# KiCad board SparkFun_IoT_RedBoard-RP2350_panelized.kicad_pcb (continued)
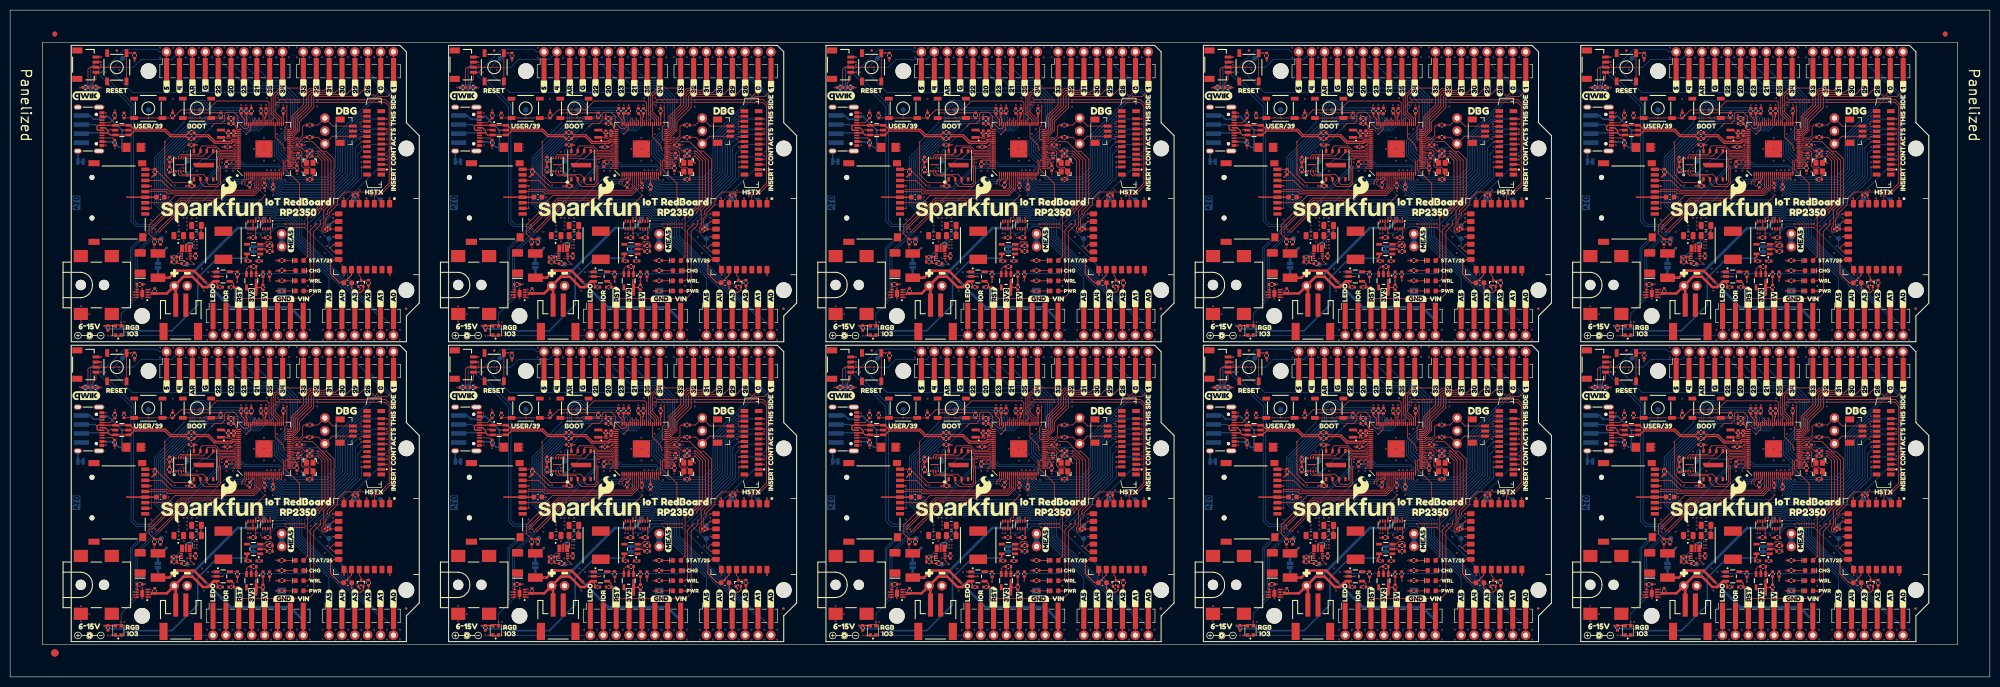
[diagram p0: board, top side]
## Routing (per net, layer and track width the routed paths; a pad name or vN(x,y) marks a point on that pad's centre or on a via; arc(x,y) is an arc through that point) (continued)
/Core/PSRAM_~{CS}: length 258.9
  Top w0.15: U4#10.1 32.27,40.61 32.02,40.36 R17#10.1 ; R17#6.1 180.74,99.48 180.99,99.73 U4#6.1 ; U1#7.58 195.74,49.31 195.44,49.01 194.74,49.01 193.59,50.16 193.59,51.41 192.79,52.21 191.39,52.21 190.99,51.81 190.99,50.56 190.39,49.96 189.04,49.96 v1(188.49,49.41) ; R17#3.1 106.38,40.36 106.63,40.61 U4.1 ; R17.1 106.38,99.48 106.63,99.73 U4#5.1 ; U1.58 47.02,49.31 46.72,49.01 46.02,49.01 44.87,50.16 44.87,51.41 44.07,52.21 42.67,52.21 42.27,51.81 42.27,50.56 41.67,49.96 40.32,49.96 v1(39.77,49.41) ; U4#4.1 255.35,99.73 255.1,99.48 R17#2.1 ; v1(114.13,49.41) 114.68,49.96 116.03,49.96 116.63,50.56 116.63,51.81 117.03,52.21 118.43,52.21 119.23,51.41 119.23,50.16 120.38,49.01 121.08,49.01 121.38,49.31 U1#4.58 ; R17#5.1 180.74,40.36 180.99,40.61 U4#7.1 ; v1(188.49,108.53) 189.04,109.08 190.39,109.08 190.99,109.68 190.99,110.93 191.39,111.33 192.79,111.33 193.59,110.53 193.59,109.28 194.74,108.13 195.44,108.13 195.74,108.43 U1#3.58 ; U4#8.1 255.35,40.61 255.1,40.36 R17#7.1 ; v1(337.21,108.53) 337.76,109.08 339.11,109.08 339.71,109.68 339.71,110.93 340.11,111.33 341.51,111.33 342.31,110.53 342.31,109.28 343.46,108.13 344.16,108.13 344.46,108.43 U1#9.58 ; v1(39.77,108.53) 40.32,109.08 41.67,109.08 42.27,109.68 42.27,110.93 42.67,111.33 44.07,111.33 44.87,110.53 44.87,109.28 46.02,108.13 46.72,108.13 47.02,108.43 U1#6.58 ; v1(337.21,49.41) 337.76,49.96 339.11,49.96 339.71,50.56 339.71,51.81 340.11,52.21 341.51,52.21 342.31,51.41 342.31,50.16 343.46,49.01 344.16,49.01 344.46,49.31 U1#10.58 ; U1#5.58 121.38,108.43 121.08,108.13 120.38,108.13 119.23,109.28 119.23,110.53 118.43,111.33 117.03,111.33 116.63,110.93 116.63,109.68 116.03,109.08 114.68,109.08 v1(114.13,108.53) ; R17#9.1 329.46,99.48 329.71,99.73 U4#3.1 ; U1#2.58 270.1,108.43 269.8,108.13 269.1,108.13 267.95,109.28 267.95,110.53 267.15,111.33 265.75,111.33 265.35,110.93 265.35,109.68 264.75,109.08 263.4,109.08 v1(262.85,108.53) ; U4#2.1 32.27,99.73 32.02,99.48 R17#4.1 ; U4#9.1 329.71,40.61 329.46,40.36 R17#8.1 ; U1#8.58 270.1,49.31 269.8,49.01 269.1,49.01 267.95,50.16 267.95,51.41 267.15,52.21 265.75,52.21 265.35,51.81 265.35,50.56 264.75,49.96 263.4,49.96 v1(262.85,49.41)
  Bottom w0.15: v1(114.13,108.53) 109.24,103.64 TP7#7.1 107.08,99.48 v1(106.38,99.48) ; v1(262.85,49.41) 257.96,44.52 TP7#5.1 255.8,40.36 v1(255.1,40.36) ; v1(180.74,40.36) 181.44,40.36 TP7#9.1 183.6,44.52 v1(188.49,49.41) ; v1(39.77,108.53) 34.88,103.64 TP7#4.1 32.72,99.48 v1(32.02,99.48) ; v1(32.02,40.36) 32.72,40.36 TP7.1 34.88,44.52 v1(39.77,49.41) ; v1(106.38,40.36) 107.08,40.36 TP7#3.1 109.24,44.52 v1(114.13,49.41) ; v1(262.85,108.53) 257.96,103.64 TP7#2.1 255.8,99.48 v1(255.1,99.48) ; v1(180.74,99.48) 181.44,99.48 TP7#8.1 183.6,103.64 v1(188.49,108.53) ; v1(337.21,49.41) 332.32,44.52 TP7#6.1 330.16,40.36 v1(329.46,40.36) ; v1(329.46,99.48) 330.16,99.48 TP7#10.1 332.32,103.64 v1(337.21,108.53)
/Core/QSPI_CLK: length 135
  Top w0.15: U1#2.71 267.45,103.88 267.06,103.49 264.29,103.49 263.4,104.38 262,104.38 261.83,104.21 U3#10.6 261.83,103.41 261.1,102.68 256.92,102.68 256.75,102.5 U4#4.6 ; U4#8.6 256.75,43.38 256.92,43.56 261.1,43.56 261.83,44.29 U3#5.6 261.83,45.09 262,45.26 263.4,45.26 264.29,44.37 267.06,44.37 267.45,44.76 U1#8.71 ; U4#10.6 33.67,43.38 33.84,43.56 38.02,43.56 38.76,44.29 U3.6 38.76,45.09 38.92,45.26 40.32,45.26 41.21,44.37 43.98,44.37 44.37,44.76 U1.71 ; U1#7.71 193.09,44.76 192.7,44.37 189.93,44.37 189.04,45.26 187.64,45.26 187.47,45.09 U3#7.6 187.47,44.29 186.74,43.56 182.56,43.56 182.39,43.38 U4#7.6 ; U1#6.71 44.37,103.88 43.98,103.49 41.21,103.49 40.32,104.38 38.92,104.38 38.76,104.21 U3#4.6 38.76,103.41 38.02,102.68 33.84,102.68 33.67,102.5 U4#2.6 ; U4#6.6 182.39,102.5 182.56,102.68 186.74,102.68 187.47,103.41 U3#8.6 187.47,104.21 187.64,104.38 189.04,104.38 189.93,103.49 192.7,103.49 193.09,103.88 U1#3.71 ; U4#9.6 331.11,43.38 331.28,43.56 335.46,43.56 336.19,44.29 U3#9.6 336.19,45.09 336.36,45.26 337.76,45.26 338.65,44.37 341.42,44.37 341.81,44.76 U1#10.71 ; U4#3.6 331.11,102.5 331.28,102.68 335.46,102.68 336.19,103.41 U3#6.6 336.19,104.21 336.36,104.38 337.76,104.38 338.65,103.49 341.42,103.49 341.81,103.88 U1#9.71 ; U1#5.71 118.73,103.88 118.34,103.49 115.57,103.49 114.68,104.38 113.28,104.38 113.11,104.21 U3#3.6 113.11,103.41 112.38,102.68 108.2,102.68 108.03,102.5 U4#5.6 ; U1#4.71 118.73,44.76 118.34,44.37 115.57,44.37 114.68,45.26 113.28,45.26 113.11,45.09 U3#2.6 113.11,44.29 112.38,43.56 108.2,43.56 108.03,43.38 U4.6
/Core/QSPI_D0: length 120.1
  Top w0.15: U4#2.5 38.87,102.23 40.02,103.38 U3#4.5 40.55,103.65 41.01,103.19 44.13,103.19 44.42,103.48 U1#6.72 ; U1#2.72 267.5,103.48 267.21,103.19 264.09,103.19 263.62,103.65 U3#10.5 263.1,103.38 261.95,102.23 U4#4.5 ; U1#7.72 193.14,44.36 192.85,44.07 189.73,44.07 189.26,44.53 188.75,44.53 188.75,44.26 187.59,43.11 U4#7.5 ; U4.5 113.23,43.11 114.39,44.26 U3#2.5 114.91,44.53 115.37,44.07 118.49,44.07 118.78,44.36 U1#4.72 ; U4#9.5 336.31,43.11 337.46,44.26 U3#9.5 337.99,44.53 338.45,44.07 341.57,44.07 341.86,44.36 U1#10.72 ; U1#8.72 267.5,44.36 267.21,44.07 264.09,44.07 263.62,44.53 U3#5.5 263.1,44.26 261.95,43.11 U4#8.5 ; U4#10.5 38.87,43.11 40.02,44.26 U3.5 40.55,44.53 41.01,44.07 44.13,44.07 44.42,44.36 U1.72 ; U1#9.72 341.86,103.48 341.57,103.19 338.45,103.19 337.99,103.65 U3#6.5 337.46,103.38 336.31,102.23 U4#3.5 ; U1#5.72 118.78,103.48 118.49,103.19 115.37,103.19 114.91,103.65 U3#3.5 114.39,103.38 113.23,102.23 U4#5.5 ; U1#3.72 193.14,103.48 192.85,103.19 189.73,103.19 189.26,103.65 188.75,103.65 188.75,103.38 187.59,102.23 U4#6.5
/Core/QSPI_D1: length 198.6
  Top w0.15: U1#4.74 118.88,43.56 118.78,43.46 115.93,43.46 115.58,43.11 115.58,41.66 115.83,41.41 115.83,38.11 115.28,37.56 112.58,37.56 111.85,38.29 U3#2.2 111.85,39.19 111.38,39.66 107.88,39.66 107.53,40.01 U4.2 ; U4#4.2 256.25,99.13 256.6,98.78 260.1,98.78 260.56,98.31 U3#10.2 260.56,97.41 261.3,96.68 264,96.68 264.55,97.23 264.55,100.53 264.3,100.78 264.3,102.23 264.65,102.58 267.5,102.58 267.6,102.68 U1#2.74 ; U1#8.74 267.6,43.56 267.5,43.46 264.65,43.46 264.3,43.11 264.3,41.66 264.55,41.41 264.55,38.11 264,37.56 261.3,37.56 260.56,38.29 U3#5.2 260.56,39.19 260.1,39.66 256.6,39.66 256.25,40.01 U4#8.2 ; U1#7.74 193.24,43.56 193.14,43.46 190.29,43.46 189.94,43.11 189.94,41.66 190.19,41.41 190.19,38.11 189.64,37.56 186.94,37.56 186.2,38.29 U3#7.2 186.2,39.19 185.74,39.66 182.24,39.66 181.89,40.01 U4#7.2 ; U1.74 44.52,43.56 44.42,43.46 41.57,43.46 41.22,43.11 41.22,41.66 41.47,41.41 41.47,38.11 40.92,37.56 38.22,37.56 37.48,38.29 U3.2 37.48,39.19 37.02,39.66 33.52,39.66 33.17,40.01 U4#10.2 ; U1#9.74 341.96,102.68 341.86,102.58 339.01,102.58 338.66,102.23 338.66,100.78 338.91,100.53 338.91,97.23 338.36,96.68 335.66,96.68 334.93,97.41 U3#6.2 334.93,98.31 334.46,98.78 330.96,98.78 330.61,99.13 U4#3.2 ; U4#9.2 330.61,40.01 330.96,39.66 334.46,39.66 334.93,39.19 U3#9.2 334.93,38.29 335.66,37.56 338.36,37.56 338.91,38.11 338.91,41.41 338.66,41.66 338.66,43.11 339.01,43.46 341.86,43.46 341.96,43.56 U1#10.74 ; U1#6.74 44.52,102.68 44.42,102.58 41.57,102.58 41.22,102.23 41.22,100.78 41.47,100.53 41.47,97.23 40.92,96.68 38.22,96.68 37.48,97.41 U3#4.2 37.48,98.31 37.02,98.78 33.52,98.78 33.17,99.13 U4#2.2 ; U1#3.74 193.24,102.68 193.14,102.58 190.29,102.58 189.94,102.23 189.94,100.78 190.19,100.53 190.19,97.23 189.64,96.68 186.94,96.68 186.2,97.41 U3#8.2 186.2,98.31 185.74,98.78 182.24,98.78 181.89,99.13 U4#6.2 ; U4#5.2 107.53,99.13 107.88,98.78 111.38,98.78 111.85,98.31 U3#3.2 111.85,97.41 112.58,96.68 115.28,96.68 115.83,97.23 115.83,100.53 115.58,100.78 115.58,102.23 115.93,102.58 118.78,102.58 118.88,102.68 U1#5.74
/Core/QSPI_D2: length 190.5
  Top w0.15: U1#8.73 267.55,43.96 267.35,43.76 264.4,43.76 263.95,43.31 263.95,41.46 264.2,41.21 264.2,38.36 263.8,37.96 262.2,37.96 261.83,38.32 U3#5.3 261.83,39.22 261.1,39.96 257,39.96 256.75,40.21 U4#8.3 ; U1#10.73 341.91,43.96 341.71,43.76 338.76,43.76 338.31,43.31 338.31,41.46 338.56,41.21 338.56,38.36 338.16,37.96 336.56,37.96 336.19,38.32 U3#9.3 336.19,39.22 335.46,39.96 331.36,39.96 331.11,40.21 U4#9.3 ; U1#2.73 267.55,103.08 267.35,102.88 264.4,102.88 263.95,102.43 263.95,100.58 264.2,100.33 264.2,97.48 263.8,97.08 262.2,97.08 261.83,97.44 U3#10.3 261.83,98.34 261.1,99.08 257,99.08 256.75,99.33 U4#4.3 ; U1#5.73 118.83,103.08 118.63,102.88 115.68,102.88 115.23,102.43 115.23,100.58 115.48,100.33 115.48,97.48 115.08,97.08 113.48,97.08 113.11,97.44 U3#3.3 113.11,98.34 112.38,99.08 108.28,99.08 108.03,99.33 U4#5.3 ; U4.3 108.03,40.21 108.28,39.96 112.38,39.96 113.11,39.22 U3#2.3 113.11,38.32 113.48,37.96 115.08,37.96 115.48,38.36 115.48,41.21 115.23,41.46 115.23,43.31 115.68,43.76 118.63,43.76 118.83,43.96 U1#4.73 ; U1#9.73 341.91,103.08 341.71,102.88 338.76,102.88 338.31,102.43 338.31,100.58 338.56,100.33 338.56,97.48 338.16,97.08 336.56,97.08 336.19,97.44 U3#6.3 336.19,98.34 335.46,99.08 331.36,99.08 331.11,99.33 U4#3.3 ; U4#6.3 182.39,99.33 182.64,99.08 186.74,99.08 187.47,98.34 U3#8.3 187.47,97.44 187.84,97.08 189.44,97.08 189.84,97.48 189.84,100.33 189.59,100.58 189.59,102.43 190.04,102.88 192.99,102.88 193.19,103.08 U1#3.73 ; U4#2.3 33.67,99.33 33.92,99.08 38.02,99.08 38.76,98.34 U3#4.3 38.76,97.44 39.12,97.08 40.72,97.08 41.12,97.48 41.12,100.33 40.87,100.58 40.87,102.43 41.32,102.88 44.27,102.88 44.47,103.08 U1#6.73 ; U1.73 44.47,43.96 44.27,43.76 41.32,43.76 40.87,43.31 40.87,41.46 41.12,41.21 41.12,38.36 40.72,37.96 39.12,37.96 38.76,38.32 U3.3 38.76,39.22 38.02,39.96 33.92,39.96 33.67,40.21 U4#10.3 ; U4#7.3 182.39,40.21 182.64,39.96 186.74,39.96 187.47,39.22 U3#7.3 187.47,38.32 187.84,37.96 189.44,37.96 189.84,38.36 189.84,41.21 189.59,41.46 189.59,43.31 190.04,43.76 192.99,43.76 193.19,43.96 U1#7.73
/Core/QSPI_D3: length 143.2
  Top w0.15: U1#6.70 44.27,104.28 43.79,103.8 41.4,103.8 40.52,104.68 37.82,104.68 37.48,104.34 U3#4.7 37.48,103.39 37.07,102.98 33.52,102.98 33.17,102.63 U4#2.7 ; U1#8.70 267.35,45.16 266.87,44.68 264.48,44.68 263.6,45.56 260.9,45.56 260.56,45.22 U3#5.7 260.56,44.27 260.15,43.86 256.6,43.86 256.25,43.51 U4#8.7 ; U1#4.70 118.63,45.16 118.15,44.68 115.76,44.68 114.88,45.56 112.18,45.56 111.85,45.22 U3#2.7 111.85,44.27 111.43,43.86 107.88,43.86 107.53,43.51 U4.7 ; U4#9.7 330.61,43.51 330.96,43.86 334.51,43.86 334.93,44.27 U3#9.7 334.93,45.22 335.26,45.56 337.96,45.56 338.84,44.68 341.23,44.68 341.71,45.16 U1#10.70 ; U1#2.70 267.35,104.28 266.87,103.8 264.48,103.8 263.6,104.68 260.9,104.68 260.56,104.34 U3#10.7 260.56,103.39 260.15,102.98 256.6,102.98 256.25,102.63 U4#4.7 ; U1#7.70 192.99,45.16 192.51,44.68 190.12,44.68 189.24,45.56 186.54,45.56 186.2,45.22 U3#7.7 186.2,44.27 185.79,43.86 182.24,43.86 181.89,43.51 U4#7.7 ; U4#3.7 330.61,102.63 330.96,102.98 334.51,102.98 334.93,103.39 U3#6.7 334.93,104.34 335.26,104.68 337.96,104.68 338.84,103.8 341.23,103.8 341.71,104.28 U1#9.70 ; U1#5.70 118.63,104.28 118.15,103.8 115.76,103.8 114.88,104.68 112.18,104.68 111.85,104.34 U3#3.7 111.85,103.39 111.43,102.98 107.88,102.98 107.53,102.63 U4#5.7 ; U1.70 44.27,45.16 43.79,44.68 41.4,44.68 40.52,45.56 37.82,45.56 37.48,45.22 U3.7 37.48,44.27 37.07,43.86 33.52,43.86 33.17,43.51 U4#10.7 ; U4#6.7 181.89,102.63 182.24,102.98 185.79,102.98 186.2,103.39 U3#8.7 186.2,104.34 186.54,104.68 189.24,104.68 190.12,103.8 192.51,103.8 192.99,104.28 U1#3.70
/Core/RGB_DIN: length 432.3
  Top w0.15: U1#9.80 v1(341.46,100.28) ; v1(319.31,69.93) D4#10.3 ; v1(108.98,93.58) v1(103.18,87.78) ; v1(21.87,10.81) D4#3.3 ; v1(170.59,69.93) D4#4.3 ; U1#2.80 v1(267.1,100.28) ; v1(183.34,34.46) v1(177.54,28.66) ; v1(319.31,10.81) D4#9.3 ; v1(183.34,93.58) v1(177.54,87.78) ; U1#7.80 v1(192.74,41.16) ; v1(332.06,93.58) v1(326.26,87.78) ; v1(21.87,69.93) D4#2.3 ; U1#4.80 v1(118.38,41.16) ; U1#8.80 v1(267.1,41.16) ; v1(34.62,93.58) v1(28.82,87.78) ; v1(96.23,10.81) D4.3 ; U1#3.80 v1(192.74,100.28) ; U1#6.80 v1(44.02,100.28) ; v1(34.62,34.46) v1(28.82,28.66) ; U1#5.80 v1(118.38,100.28) ; v1(108.98,34.46) v1(103.18,28.66) ; U1.80 v1(44.02,41.16) ; v1(96.23,69.93) D4#7.3 ; v1(244.95,69.93) D4#5.3 ; v1(332.06,34.46) v1(326.26,28.66) ; v1(244.95,10.81) D4#8.3 ; U1#10.80 v1(341.46,41.16) ; v1(170.59,10.81) D4#6.3 ; v1(257.7,34.46) v1(251.9,28.66) ; v1(257.7,93.58) v1(251.9,87.78)
  Bottom w0.15: v1(332.06,34.46) 338.76,41.16 v1(341.46,41.16) ; v1(96.23,10.81) 96.23,12.46 99.33,15.56 99.33,17.06 98.98,17.41 98.98,24.46 v1(103.18,28.66) ; v1(319.31,69.93) 319.31,71.58 322.41,74.68 322.41,76.18 322.06,76.53 322.06,83.58 v1(326.26,87.78) ; v1(251.9,87.78) 247.7,83.58 247.7,76.53 248.05,76.18 248.05,74.68 244.95,71.58 v1(244.95,69.93) ; v1(108.98,34.46) 115.68,41.16 v1(118.38,41.16) ; v1(257.7,93.58) 264.4,100.28 v1(267.1,100.28) ; v1(108.98,93.58) 115.68,100.28 v1(118.38,100.28) ; v1(44.02,41.16) 41.32,41.16 v1(34.62,34.46) ; v1(183.34,93.58) 190.04,100.28 v1(192.74,100.28) ; v1(341.46,100.28) 338.76,100.28 v1(332.06,93.58) ; v1(170.59,10.81) 170.59,12.46 173.69,15.56 173.69,17.06 173.34,17.41 173.34,24.46 v1(177.54,28.66) ; v1(21.87,69.93) 21.87,71.58 24.97,74.68 24.97,76.18 24.62,76.53 24.62,83.58 v1(28.82,87.78) ; v1(319.31,10.81) 319.31,12.46 322.41,15.56 322.41,17.06 322.06,17.41 322.06,24.46 v1(326.26,28.66) ; v1(103.18,87.78) 98.98,83.58 98.98,76.53 99.33,76.18 99.33,74.68 96.23,71.58 v1(96.23,69.93) ; v1(257.7,34.46) 264.4,41.16 v1(267.1,41.16) ; v1(21.87,10.81) 21.87,12.46 24.97,15.56 24.97,17.06 24.62,17.41 24.62,24.46 v1(28.82,28.66) ; v1(192.74,41.16) 190.04,41.16 v1(183.34,34.46) ; v1(244.95,10.81) 244.95,12.46 248.05,15.56 248.05,17.06 247.7,17.41 247.7,24.46 v1(251.9,28.66) ; v1(177.54,87.78) 173.34,83.58 173.34,76.53 173.69,76.18 173.69,74.68 170.59,71.58 v1(170.59,69.93) ; v1(34.62,93.58) 41.32,100.28 v1(44.02,100.28)
/Core/SW.CLK: length 91.7
  Top w0.15: R11#7.1 358.16,47.26 J10#9.1 360.96,47.46 J12#7.1 ; J12#9.1 360.96,106.58 J10#5.1 358.16,106.38 R11#8.1 ; R11#9.1 209.44,47.26 J10#8.1 212.24,47.46 J12#5.1 ; R11#3.1 135.08,106.38 J10.1 137.88,106.58 J12.1 ; R11.1 60.72,47.26 J10#10.1 63.52,47.46 J12#10.1 ; R11#5.1 209.44,106.38 J10#6.1 212.24,106.58 J12#6.1 ; J12#2.1 63.52,106.58 J10#2.1 60.72,106.38 R11#4.1 ; J12#8.1 286.6,106.58 J10#4.1 283.8,106.38 R11#6.1 ; R11#2.1 135.08,47.26 J10#3.1 137.88,47.46 J12#4.1 ; J12#3.1 286.6,47.46 J10#7.1 283.8,47.26 R11#10.1
/Core/SW.DIO: length 92.4
  Top w0.15: J12#9.3 361.04,108.58 J10#5.3 358.08,108.78 R12#8.1 ; R12#6.1 358.08,49.66 J10#9.3 361.04,49.46 J12#7.3 ; J12#2.3 63.6,108.58 J10#2.3 60.64,108.78 R12#9.1 ; J12#5.3 212.32,49.46 J10#8.3 209.36,49.66 R12#10.1 ; R12#3.1 283.72,49.66 J10#7.3 286.68,49.46 J12#3.3 ; R12#7.1 135,49.66 J10#3.3 137.96,49.46 J12#4.3 ; R12#5.1 283.72,108.78 J10#4.3 286.68,108.58 J12#8.3 ; R12.1 60.64,49.66 J10#10.3 63.6,49.46 J12#10.3 ; R12#2.1 135,108.78 J10.3 137.96,108.58 J12.3 ; J12#6.3 212.32,108.58 J10#6.3 209.36,108.78 R12#4.1
/Core/USB.D+: length 97.2
  Top w0.24: R3#9.2 110.64,46.96 111.05,47.37 113.3,47.37 114.6,46.07 117.96,46.07 118.24,46.36 U1#4.67 ; U1#7.67 192.6,46.36 192.32,46.07 188.96,46.07 187.66,47.37 185.41,47.37 185,46.96 R3#7.2 ; U1#5.67 118.24,105.48 117.96,105.19 114.6,105.19 113.3,106.49 111.05,106.49 110.64,106.08 R3#5.2 ; U1#8.67 266.96,46.36 266.68,46.07 263.32,46.07 262.02,47.37 259.77,47.37 259.36,46.96 R3#6.2 ; R3#10.2 333.72,106.08 334.13,106.49 336.38,106.49 337.68,105.19 341.04,105.19 341.32,105.48 U1#9.67 ; R3#4.2 185,106.08 185.41,106.49 187.66,106.49 188.96,105.19 192.32,105.19 192.6,105.48 U1#3.67 ; U1.67 43.88,46.36 43.6,46.07 40.24,46.07 38.94,47.37 36.7,47.37 36.28,46.96 R3.2 ; U1#6.67 43.88,105.48 43.6,105.19 40.24,105.19 38.94,106.49 36.7,106.49 36.28,106.08 R3#2.2 ; R3#8.2 259.36,106.08 259.77,106.49 262.02,106.49 263.32,105.19 266.68,105.19 266.96,105.48 U1#2.67 ; U1#10.67 341.32,46.36 341.04,46.07 337.68,46.07 336.38,47.37 334.13,47.37 333.72,46.96 R3#3.2
/Core/USB.D-: length 97.3
  Top w0.24: U1#9.66 341.2,105.88 340.88,105.56 337.84,105.56 336.54,106.86 334.13,106.86 333.72,107.28 R4#9.2 ; R4#2.2 110.64,107.28 111.05,106.86 113.46,106.86 114.76,105.56 117.8,105.56 118.12,105.88 U1#5.66 ; R4#10.2 333.72,48.16 334.13,47.74 336.54,47.74 337.84,46.44 340.88,46.44 341.2,46.76 U1#10.66 ; R4#7.2 185,107.28 185.41,106.86 187.82,106.86 189.12,105.56 192.16,105.56 192.48,105.88 U1#3.66 ; U1#8.66 266.84,46.76 266.52,46.44 263.48,46.44 262.18,47.74 259.77,47.74 259.36,48.16 R4#3.2 ; U1.66 43.76,46.76 43.44,46.44 40.4,46.44 39.1,47.74 36.7,47.74 36.28,48.16 R4.2 ; U1#2.66 266.84,105.88 266.52,105.56 263.48,105.56 262.18,106.86 259.77,106.86 259.36,107.28 R4#8.2 ; R4#6.2 185,48.16 185.41,47.74 187.82,47.74 189.12,46.44 192.16,46.44 192.48,46.76 U1#7.66 ; U1#6.66 43.76,105.88 43.44,105.56 40.4,105.56 39.1,106.86 36.7,106.86 36.28,107.28 R4#4.2 ; U1#4.66 118.12,46.76 117.8,46.44 114.76,46.44 113.46,47.74 111.05,47.74 110.64,48.16 R4#5.2
/Core/WRL_CLK: length 509.8
  Top w0.15: v1(354.46,113.78) v1(350.46,113.78) ; v1(357.96,54.66) 371.46,54.66 372.51,53.61 372.51,38.01 370.46,35.96 v1(369.21,35.96) U2#10.A3 ; U2#2.A3 v1(146.13,35.96) 147.38,35.96 149.43,38.01 149.43,53.61 148.38,54.66 v1(134.88,54.66) ; v1(134.88,113.78) 148.38,113.78 149.43,112.73 149.43,97.13 147.38,95.08 v1(146.13,95.08) U2#7.A3 ; v1(57.02,113.78) v1(53.02,113.78) ; U2#9.A3 v1(294.85,35.96) 296.1,35.96 298.15,38.01 298.15,53.61 297.1,54.66 v1(283.6,54.66) ; v1(205.74,113.78) v1(201.74,113.78) ; U2#5.A3 v1(369.21,95.08) 370.46,95.08 372.51,97.13 372.51,112.73 371.46,113.78 v1(357.96,113.78) ; U2#6.A3 v1(71.77,95.08) 73.02,95.08 75.07,97.13 75.07,112.73 74.02,113.78 v1(60.52,113.78) ; v1(280.1,54.66) v1(276.1,54.66) ; v1(200.54,110.03) U1#3.46 ; v1(349.26,50.91) U1#10.46 ; v1(200.54,50.91) U1#7.46 ; v1(57.02,54.66) v1(53.02,54.66) ; v1(209.24,113.78) 222.74,113.78 223.79,112.73 223.79,97.13 221.74,95.08 v1(220.49,95.08) U2#8.A3 ; v1(209.24,54.66) 222.74,54.66 223.79,53.61 223.79,38.01 221.74,35.96 v1(220.49,35.96) U2#3.A3 ; v1(274.9,110.03) U1#2.46 ; v1(126.18,50.91) U1#4.46 ; v1(280.1,113.78) v1(276.1,113.78) ; v1(131.38,54.66) v1(127.38,54.66) ; v1(274.9,50.91) U1#8.46 ; v1(51.82,110.03) U1#6.46 ; v1(60.52,54.66) 74.02,54.66 75.07,53.61 75.07,38.01 73.02,35.96 v1(71.77,35.96) U2.A3 ; v1(131.38,113.78) v1(127.38,113.78) ; U2#4.A3 v1(294.85,95.08) 296.1,95.08 298.15,97.13 298.15,112.73 297.1,113.78 v1(283.6,113.78) ; v1(51.82,50.91) U1.46 ; v1(205.74,54.66) v1(201.74,54.66) ; v1(126.18,110.03) U1#5.46 ; v1(354.46,54.66) v1(350.46,54.66) ; v1(349.26,110.03) U1#9.46
  Bottom w0.15: v1(274.9,50.91) 274.9,52.26 276.1,53.46 v1(276.1,54.66) ; TP4#3.1 72.83,94.02 v1(71.77,95.08) ; v1(205.74,54.66) v1(209.24,54.66) ; v1(127.38,54.66) 127.38,53.46 126.18,52.26 v1(126.18,50.91) ; v1(71.77,35.96) 72.83,34.9 TP4.1 ; v1(349.26,110.03) 349.26,111.38 350.46,112.58 v1(350.46,113.78) ; v1(53.02,113.78) 53.02,112.58 51.82,111.38 v1(51.82,110.03) ; v1(200.54,50.91) 200.54,52.26 201.74,53.46 v1(201.74,54.66) ; v1(146.13,95.08) 147.19,94.02 TP4#5.1 ; v1(131.38,54.66) v1(134.88,54.66) ; v1(205.74,113.78) v1(209.24,113.78) ; v1(126.18,110.03) 126.18,111.38 127.38,112.58 v1(127.38,113.78) ; v1(276.1,113.78) 276.1,112.58 274.9,111.38 v1(274.9,110.03) ; v1(53.02,54.66) 53.02,53.46 51.82,52.26 v1(51.82,50.91) ; v1(131.38,113.78) v1(134.88,113.78) ; v1(354.46,113.78) v1(357.96,113.78) ; v1(200.54,110.03) 200.54,111.38 201.74,112.58 v1(201.74,113.78) ; TP4#10.1 221.55,34.9 v1(220.49,35.96) ; TP4#4.1 370.27,94.02 v1(369.21,95.08) ; v1(349.26,50.91) 349.26,52.26 350.46,53.46 v1(350.46,54.66) ; v1(369.21,35.96) 370.27,34.9 TP4#6.1 ; v1(280.1,54.66) v1(283.6,54.66) ; v1(57.02,113.78) v1(60.52,113.78) ; v1(220.49,95.08) 221.55,94.02 TP4#9.1 ; v1(146.13,35.96) 147.19,34.9 TP4#2.1 ; v1(294.85,95.08) 295.91,94.02 TP4#7.1 ; TP4#8.1 295.91,34.9 v1(294.85,35.96) ; v1(280.1,113.78) v1(283.6,113.78) ; v1(57.02,54.66) v1(60.52,54.66) ; v1(354.46,54.66) v1(357.96,54.66)
/Core/WRL_DAT: length 649.7
  Top w0.15: v1(275.7,113.28) v1(280.1,113.28) ; v1(60.52,54.16) 73.92,54.16 74.67,53.41 74.67,38.21 72.92,36.46 v1(68.52,36.46) ; v1(200.14,109.68) U1#3.47 ; v1(274.5,50.56) U1#8.47 ; v1(68.52,36.46) 68.53,36.45 R13.2 68.53,35.35 68.77,35.11 U2.A5 ; v1(68.52,36.46) 65.93,36.46 64.52,35.05 64.52,34.01 62.92,32.41 62.92,31.96 62.2,31.24 62.2,29.35 R14#10.2 ; v1(134.88,113.28) 148.28,113.28 149.03,112.53 149.03,97.33 147.28,95.58 v1(142.88,95.58) ; R14#2.2 136.56,88.47 136.56,90.36 137.28,91.08 137.28,91.53 138.88,93.13 138.88,94.17 140.29,95.58 v1(142.88,95.58) ; v1(350.06,54.16) v1(354.46,54.16) ; v1(350.06,113.28) v1(354.46,113.28) ; v1(142.88,95.58) 142.89,95.57 R13#6.2 142.89,94.47 143.13,94.23 U2#7.A5 ; U2#9.A5 291.85,35.11 291.61,35.35 R13#3.2 291.61,36.45 v1(291.6,36.46) ; R14#7.2 210.93,29.35 210.93,31.24 211.64,31.96 211.64,32.41 213.24,34.01 213.24,35.05 214.65,36.46 v1(217.24,36.46) ; U2#6.A5 68.77,94.23 68.53,94.47 R13#5.2 68.53,95.57 v1(68.52,95.58) ; U2#10.A5 366.21,35.11 365.97,35.35 R13#9.2 365.97,36.45 v1(365.96,36.46) ; v1(209.24,54.16) 222.64,54.16 223.39,53.41 223.39,38.21 221.64,36.46 v1(217.24,36.46) ; U2#2.A5 143.13,35.11 142.89,35.35 R13#10.2 142.89,36.45 v1(142.88,36.46) ; v1(365.96,36.46) 370.36,36.46 372.11,38.21 372.11,53.41 371.36,54.16 v1(357.96,54.16) ; v1(365.96,36.46) 363.37,36.46 361.96,35.05 361.96,34.01 360.36,32.41 360.36,31.96 359.64,31.24 359.64,29.35 R14#6.2 ; R14.2 62.2,88.47 62.2,90.36 62.92,91.08 62.92,91.53 64.52,93.13 64.52,94.17 65.93,95.58 v1(68.52,95.58) ; v1(217.24,36.46) 217.25,36.45 R13#8.2 217.25,35.35 217.49,35.11 U2#3.A5 ; v1(365.96,95.58) 370.36,95.58 372.11,97.33 372.11,112.53 371.36,113.28 v1(357.96,113.28) ; v1(365.96,95.58) 363.37,95.58 361.96,94.17 361.96,93.13 360.36,91.53 360.36,91.08 359.64,90.36 359.64,88.47 R14#5.2 ; v1(365.96,95.58) 365.97,95.57 R13#2.2 365.97,94.47 366.21,94.23 U2#5.A5 ; v1(291.6,36.46) 289.01,36.46 287.6,35.05 287.6,34.01 286,32.41 286,31.96 285.28,31.24 285.28,29.35 R14#8.2 ; v1(291.6,36.46) 296,36.46 297.75,38.21 297.75,53.41 297,54.16 v1(283.6,54.16) ; v1(201.34,113.28) v1(205.74,113.28) ; v1(201.34,54.16) v1(205.74,54.16) ; v1(142.88,36.46) 147.28,36.46 149.03,38.21 149.03,53.41 148.28,54.16 v1(134.88,54.16) ; v1(142.88,36.46) 140.29,36.46 138.88,35.05 138.88,34.01 137.28,32.41 137.28,31.96 136.56,31.24 136.56,29.35 R14#3.2 ; v1(52.62,113.28) v1(57.02,113.28) ; v1(217.24,95.58) 217.25,95.57 R13#4.2 217.25,94.47 217.49,94.23 U2#8.A5 ; v1(217.24,95.58) 221.64,95.58 223.39,97.33 223.39,112.53 222.64,113.28 v1(209.24,113.28) ; v1(217.24,95.58) 214.65,95.58 213.24,94.17 213.24,93.13 211.64,91.53 211.64,91.08 210.93,90.36 210.93,88.47 R14#4.2 ; v1(291.6,95.58) 291.61,95.57 R13#7.2 291.61,94.47 291.85,94.23 U2#4.A5 ; v1(291.6,95.58) 296,95.58 297.75,97.33 297.75,112.53 297,113.28 v1(283.6,113.28) ; v1(291.6,95.58) 289.01,95.58 287.6,94.17 287.6,93.13 286,91.53 286,91.08 285.28,90.36 285.28,88.47 R14#9.2 ; v1(51.42,109.68) U1#6.47 ; v1(51.42,50.56) U1.47 ; v1(68.52,95.58) 72.92,95.58 74.67,97.33 74.67,112.53 73.92,113.28 v1(60.52,113.28) ; v1(125.78,109.68) U1#5.47 ; v1(126.98,54.16) v1(131.38,54.16) ; v1(348.86,109.68) U1#9.47 ; v1(275.7,54.16) v1(280.1,54.16) ; v1(126.98,113.28) v1(131.38,113.28) ; v1(52.62,54.16) v1(57.02,54.16) ; v1(274.5,109.68) U1#2.47 ; v1(200.14,50.56) U1#7.47 ; v1(125.78,50.56) U1#4.47 ; v1(348.86,50.56) U1#10.47
  Bottom w0.15: v1(52.62,113.28) 51.42,112.08 v1(51.42,109.68) ; v1(68.52,36.46) 67.9,35.84 TP5.1 ; v1(291.6,36.46) 290.98,35.84 TP5#7.1 ; v1(131.38,113.28) v1(134.88,113.28) ; v1(126.98,113.28) 125.78,112.08 v1(125.78,109.68) ; v1(350.06,54.16) 348.86,52.96 v1(348.86,50.56) ; v1(354.46,54.16) v1(357.96,54.16) ; v1(57.02,54.16) v1(60.52,54.16) ; v1(291.6,95.58) 290.98,94.96 TP5#10.1 ; v1(217.24,36.46) 216.62,35.84 TP5#6.1 ; v1(200.14,109.68) 200.14,112.08 v1(201.34,113.28) ; v1(365.96,95.58) 365.34,94.96 TP5#5.1 ; v1(142.88,36.46) 142.26,35.84 TP5#4.1 ; v1(354.46,113.28) v1(357.96,113.28) ; v1(57.02,113.28) v1(60.52,113.28) ; v1(274.5,109.68) 274.5,112.08 v1(275.7,113.28) ; v1(280.1,54.16) v1(283.6,54.16) ; v1(280.1,113.28) v1(283.6,113.28) ; TP5#2.1 142.26,94.96 v1(142.88,95.58) ; v1(205.74,54.16) v1(209.24,54.16) ; v1(131.38,54.16) v1(134.88,54.16) ; v1(52.62,54.16) 51.42,52.96 v1(51.42,50.56) ; v1(348.86,109.68) 348.86,112.08 v1(350.06,113.28) ; TP5#9.1 216.62,94.96 v1(217.24,95.58) ; v1(365.96,36.46) 365.34,35.84 TP5#8.1 ; v1(275.7,54.16) 274.5,52.96 v1(274.5,50.56) ; TP5#3.1 67.9,94.96 v1(68.52,95.58) ; v1(125.78,50.56) 125.78,52.96 v1(126.98,54.16) ; v1(200.14,50.56) 200.14,52.96 v1(201.34,54.16) ; v1(205.74,113.28) v1(209.24,113.28)
/Core/WRL_IO0: length 179.5
  Top w0.15: D5#3.2 132.98,18.96 133.48,19.46 133.48,28.96 v1(134.68,30.16) ; U2.B1 v1(63.62,32.16) ; v1(357.76,30.16) 356.56,28.96 356.56,19.46 356.06,18.96 D5#8.2 ; v1(357.76,89.28) 356.56,88.08 356.56,78.58 356.06,78.08 D5#2.2 ; v1(134.68,89.28) 133.48,88.08 133.48,78.58 132.98,78.08 D5#5.2 ; D5#7.2 281.7,18.96 282.2,19.46 282.2,28.96 v1(283.4,30.16) ; v1(209.04,30.16) 207.84,28.96 207.84,19.46 207.34,18.96 D5#6.2 ; U2#7.B1 v1(137.98,91.28) ; D5.2 207.34,78.08 207.84,78.58 207.84,88.08 v1(209.04,89.28) ; v1(60.32,89.28) 59.12,88.08 59.12,78.58 58.62,78.08 D5#4.2 ; U2#8.B1 v1(212.34,91.28) ; U2#6.B1 v1(63.62,91.28) ; U2#2.B1 v1(137.98,32.16) ; U2#9.B1 v1(286.7,32.16) ; D5#10.2 58.62,18.96 59.12,19.46 59.12,28.96 v1(60.32,30.16) ; U2#10.B1 v1(361.06,32.16) ; v1(283.4,89.28) 282.2,88.08 282.2,78.58 281.7,78.08 D5#9.2 ; U2#4.B1 v1(286.7,91.28) ; U2#3.B1 v1(212.34,32.16) ; U2#5.B1 v1(361.06,91.28)
  Bottom w0.15: v1(286.7,32.16) 284.7,30.16 v1(283.4,30.16) ; v1(361.06,32.16) 359.06,30.16 v1(357.76,30.16) ; v1(60.32,30.16) 61.62,30.16 v1(63.62,32.16) ; v1(286.7,91.28) 284.7,89.28 v1(283.4,89.28) ; v1(209.04,89.28) 210.34,89.28 v1(212.34,91.28) ; v1(361.06,91.28) 359.06,89.28 v1(357.76,89.28) ; v1(63.62,91.28) 61.62,89.28 v1(60.32,89.28) ; v1(134.68,89.28) 135.98,89.28 v1(137.98,91.28) ; v1(134.68,30.16) 135.98,30.16 v1(137.98,32.16) ; v1(209.04,30.16) 210.34,30.16 v1(212.34,32.16)